# Altium PCB DSO.PcbDoc (part 2 of 2)
Units mil, origin at the board's own origin, x right, y up, seen from the top; angles counter-clockwise.
Board outline 4330.71 x 3937.01 mil, 2 copper layers (Top Layer, Bottom Layer), stack 61.855 mil thick; 136 components, 119 nets, 542 pads, 136 vias.
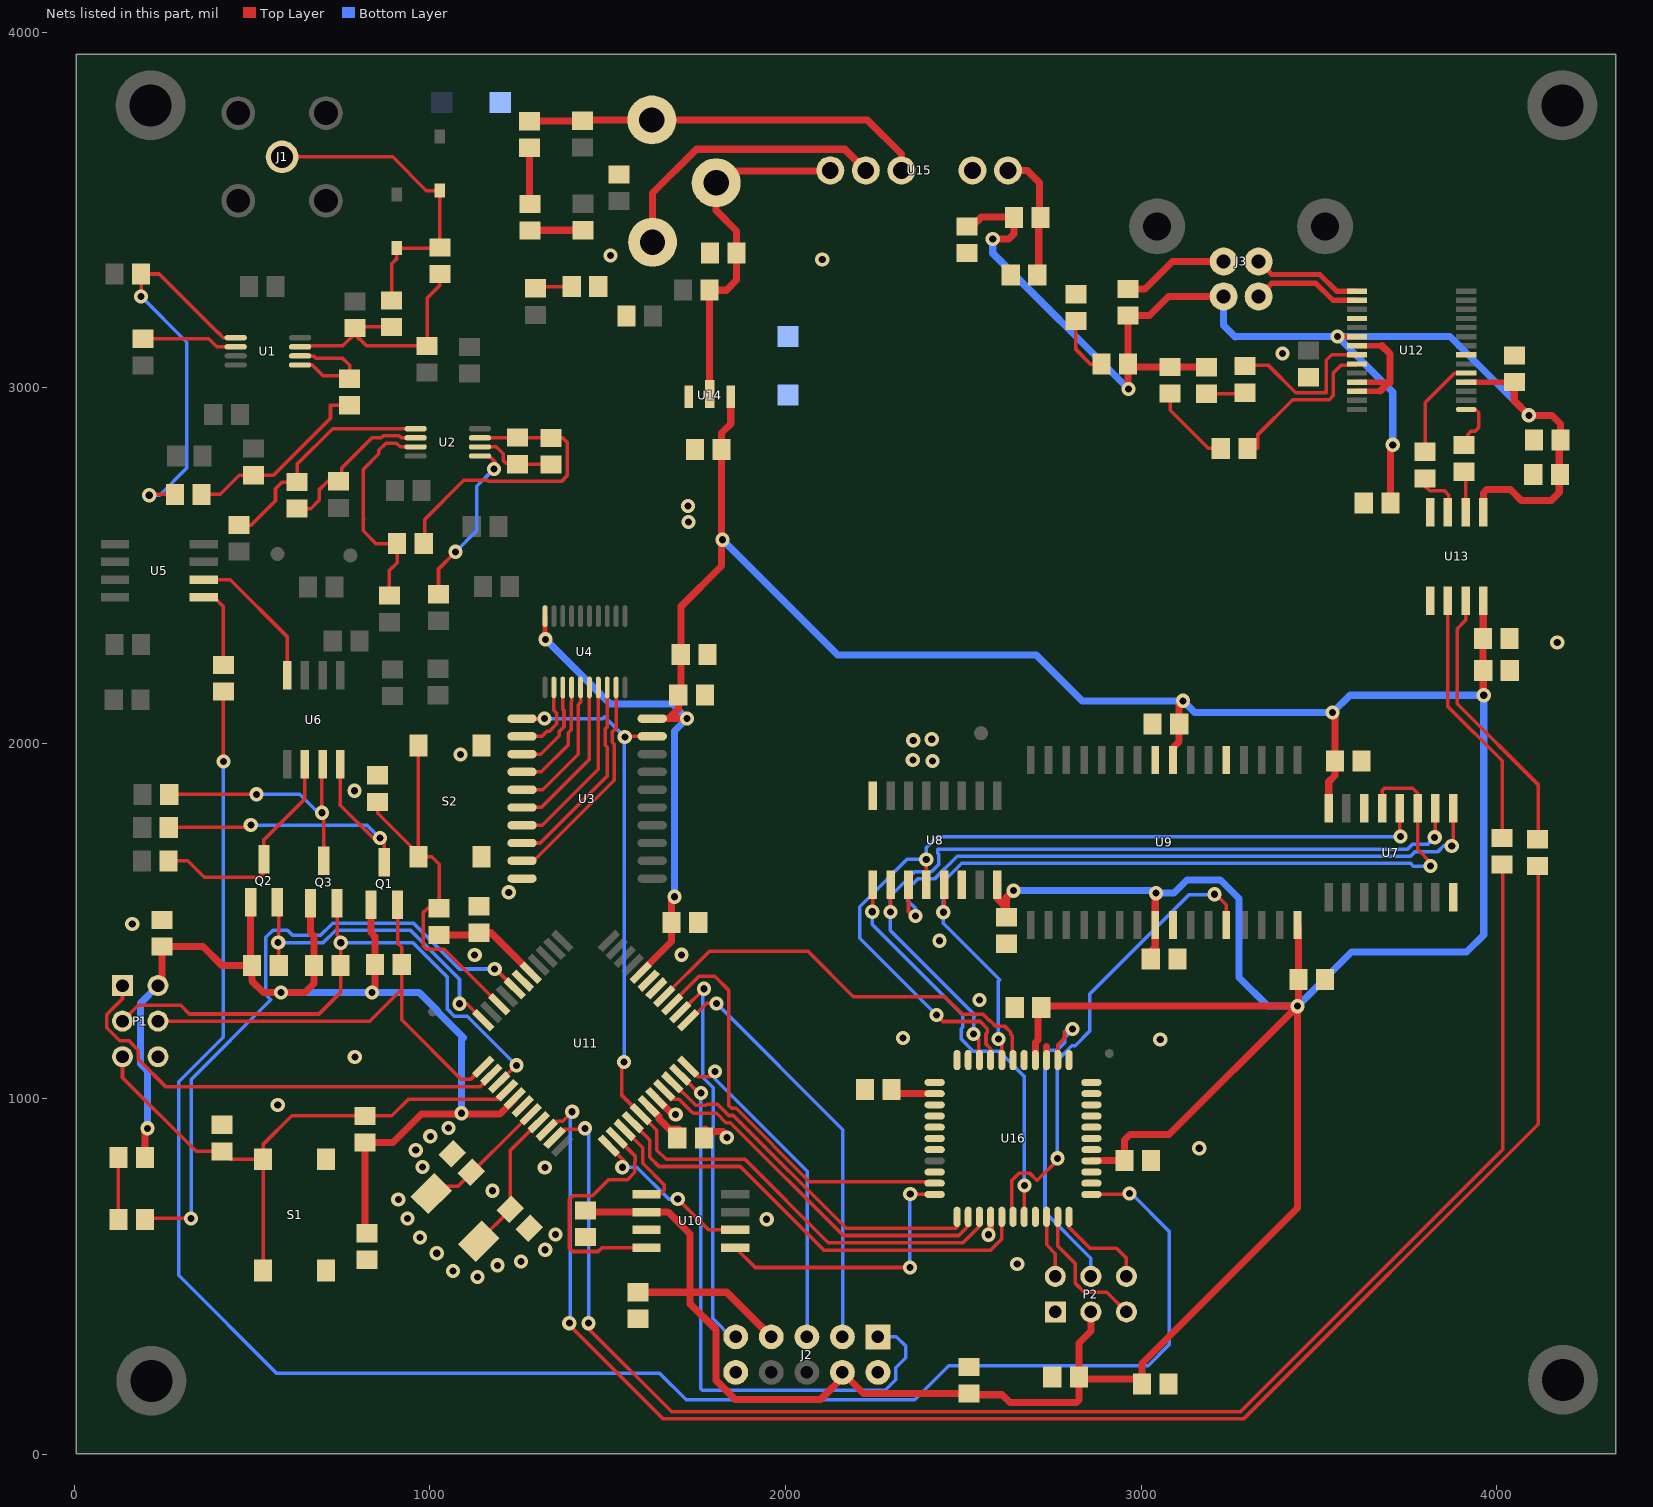
[diagram p2: the nets of this part, all layers, seen from the top]

## Via types
v1: diameter 40, hole 20, Top Layer to Bottom Layer, tented both sides, 134 vias
v2: diameter 40/40 (per signal layer), hole 20, Top Layer to Bottom Layer, tented both sides, 2 vias

## Nets (pads, with @x,y where several pads share a name; then routed paths per layer and width w, separated by ;. In a path a pad name is that pad's centre, name@x,y a point inside that pad or via, vN(x,y) a via of type N, cw(c..) or ccw(c..) an arc to the next point about the centre after c; other vN are vias at no path point) (continued)
CLEAR_COUNT: U7.10 U8.10 U16.31 | length 2357.9
  Top Layer w10: v1(2295,1526) 2296,1527 U8.10@2296,1603 ; v1(2529,1183) 2544,1168 2544,1110.98 U16.31@2545.51,1109.47 ; v1(3826,1736) 3828,1738 U7.10@3828,1818
  Bottom Layer w10: v1(2529,1183) 2529,1232 2533,1236 2295,1474 v1(2295,1526) 2295,1570.28 2363.72,1639 2410.5,1639 2431,1659.5 2431,1688.5 2427.72,1691.78 2427.72,1703 3750,1703 3763,1716 3806,1716 v1(3826,1736)
Clk_S0: U10.6 U11.12 | length 507.9
  Top Layer w10: 1530,841.66 U11.12@1503.38,868.28 1503.72,868.28 1545,827 1541,823 v1(1541,808) ; v1(1697,718.6) 1783.6,632 U10.6@1859,632
  Bottom Layer w10: v1(1541,808) 1582,808 1671.4,718.6 v1(1697,718.6)
Clk_S1: U10.4 U11.13 | length 697.4
  Top Layer w10: U11.13@1525.66,890.55 1578,838.21 1578,824.5 1576,822.5 1576,793.5 1555.5,773 1502,773 1457,728 1402.27,728 1392.47,718.21 1392.47,579.79 1401.26,571.01 1472.74,571.01 1483.73,582 U10.4@1609,582
COUNTER_CLK: U7.11 U7.13 U8.13 U16.29 | length 2426.4
  Top Layer w10: v1(2444,1525.17) 2446,1527.17 U8.13@2446,1603 ; v1(2599,1169) 2603,1169 2608.5,1163.5 U16.29@2608.5,1109.47 ; U7.13@3678,1818 3678,1867 3685,1874 3764,1874 3778,1860 U7.11@3778,1818 3778,1702 3814,1666 v1(3814,1655)
  Bottom Layer w10: v1(2599,1169) 2599,1331 2603,1335 2444,1494 v1(2444,1525.17) 2444,1611 2496,1663 3758,1663 3766,1655 v1(3814,1655)
CPLD_TCK: P2.6 U16.11 | length 278.1
  Top Layer w10: U16.11@2797.48,668.53 2797.48,638.95 2856.43,580 2931,580 2959,552 P2.6@2959,501
CPLD_TD0: P2.4 U16.24 | length 930.3
  Top Layer w10: U16.24@2765.98,1109.47 2765.98,1151.98 2784.87,1170.87 2784.87,1189.47 2792.4,1197 v1(2807,1197)
  Bottom Layer w10: v1@2790.4,1195 2792.4,1197 v1(2807,1197) 2807,1195 2784.87,1172.87 2784.87,1157.9 2764.37,1137.4 2732.8,1137.4 2730,1134.6 2730,681 2859,552 P2.4@2859,501
CPLD_TDI: P2.2 U16.9 | length 177.7
  Top Layer w10: U16.9@2734.49,668.53 2734.49,589.51 2759,565 P2.2@2759,501
CPLD_TMS: P2.5 U16.10 | length 384.4
  Top Layer w10: U16.10@2765.98,668.53 2765.98,586.3 2814.47,537.81 2814.47,482.56 2840.56,456.47 2903.53,456.47 P2.5@2959,401
DAC_CS: Q2.3 R23.1 U6.2 | length 645.7
  Top Layer w10: R23.1@264.4,1670 319,1670 365,1624 520,1624 533,1637 Q2.3@533,1674 533,1729 648,1844 U6.2@648,1942
DAC_OUT: U5.2 U6.8 | length 409.3
  Top Layer w10: U5.2@364,2461 438,2461 598,2301 U6.8@598,2192
DAC_SCK: Q3.3 R25.1 U6.3 | length 726.2
  Top Layer w10: R25.1@266.4,1857 v1(512,1857) ; U6.3@698,1942 696,1940 v1(696,1805) 696,1795 701.4,1789.6 Q3.3@701.4,1670
  Bottom Layer w10: v1(512,1857) 634,1857 686,1805 v1(696,1805)
DAC_SDI: Q1.3 R21.1 U6.4 | length 951.4
  Top Layer w10: R21.1@265.4,1764 489,1764 v1(496,1771) ; U6.4@748,1942 748,1829.2 746.4,1827.6 840,1734 v1(859,1734) 871.4,1721.6 Q1.3@871.4,1666
  Bottom Layer w10: v1(496,1771) 497,1770 823,1770 v1(859,1734)
DGND: C18.2 C19.2 C20.2 C21.2 C22.2 C23.2 C24.2 C25.2 C26.2 C27.2 C28.2 C29.2 C30.2 C31.2 C32.2 C33.2 C34.2 C35.2 C36.2 C37.2 C44.2 C47.2 C52.2 C53.2 C54.2 C55.2 C57.2 J2.2 J2.10 N2.1 P1.6 P2.1 S1.2 S2.2 U3.10 U7.8 U7.14 U8.8 U8.14 U9.5 U9.9 U9.25 U10.3 U11.6 U11.18 U11.28 U11.39 U13.5 U14.1 U16.4 U16.8 U16.13 U16.14 U16.16 U16.17 U16.18 U16.19 U16.20 U16.21 U16.22 U16.23 U16.25 U16.27 U16.32 U16.33 U16.34 U16.36 U16.37 U16.38 U16.39 U16.40 U16.42 | length 238.2
  Top Layer w20: U11.18@1637.01,1001.9 1682.92,956 v1(1691,956) ; C37.2@1774.4,915 1780.89,908.51 1824.49,908.51 1835,898 v1(1835,892) ; v1(2571,618) 2571,620.54 2577.01,626.55 U16.4@2577.01,668.53 ; U16.25@2734.49,1109.47 2734.49,1148.06
  other v1: 1133.62,499 1065,516 1190,532 2652,535.54 1256,543 1019,566 1324,576 972,610 1353,619 1947,661.61 937,664 911,717 1176,742 1323,807 978.58,809 960,856 3164,861.54 1001,895 1052,918 571.63,983.14 788.63,1118 3054,1167.54 2330.87,1171.41 2545.68,1278.54 1125.71,1405.23 1707.68,1405.41 2433,1445 162.63,1492 1221.45,1581.23 788,1867 2413.51,1950.9 2358.23,1953.9 1086,1969 2359.45,2008.9 2411.45,2011.9 4171,2284 1727,2623 1726.1,2668
DVCC: C18.1 C19.1 C20.1 C21.1 C22.1 C23.1 C24.1 C25.1 C26.1 C31.1 C32.1 C33.1 C34.1 C35.1 C36.1 C37.1 C44.1 C47.1 C52.1 C53.1 C54.1 C55.1 C57.1 D7.A J2.4 J2.7 P1.2 P2.3 Q1.1 Q2.1 Q3.1 R14.2 R15.2 R20.2 R22.2 R24.2 U3.20 U4.20 U7.16 U8.16 U9.8 U9.24 U9.32 U10.2 U11.5 U11.17 U11.27 U11.29 U11.38 U13.8 U14.3 U16.15 U16.26 U16.35 | length 17967.8
  Top Layer w13.78: v1@1323.5,2294.5 U4.20@1323.5,2358.39
  Top Layer w20: D7.A@198.4,835 198.4,910.8 v1(205,917.4) ; P1.2@235,1319 246,1330 C26.1@246,1428.6 361.4,1428.6 414,1376 R22.2@499.6,1376 ; Q2.1@495.6,1554 495.6,1380 R22.2@499.6,1376 ; Q3.1@664,1550 664,1468 673.6,1458.4 R24.2@673.6,1375 673.6,1324.6 648.4,1299.4 v1(581,1299.4) 531.6,1299.4 499.6,1331.4 R22.2@499.6,1376 ; C54.1@823,622.4 817,628.4 R14.2@817,877.6 895.6,877.6 976,958 1197.35,958 U11.5@1236.58,997.23 ; Q1.1@834,1546 834,1468 845.6,1456.4 R20.2@845.6,1377.73 845.6,1308 v1(837,1299.4) ; R15.2@1026,1461.6 1131.62,1461.6 C36.1@1137.62,1467.6 1171.32,1467.6 U11.38@1283.46,1355.46 ; v1@1323.5,2294.5 v1(1325,2293) ; C22.1@1437,686.4 1441.4,682 U10.2@1609,682 1670,682 1731.83,620.17 1731.83,456.4 ; C53.1@1585,456.4 1731.83,456.4 ; U11.29@1592.47,1355.46 1679.6,1442.59 C35.1@1679.6,1497 1679.6,1560.6 v1(1688,1569) ; U11.17@1614.74,979.63 1644.48,949.89 1644.48,944.52 1674,915 C37.1@1699.6,915 ; U3.20@1625.07,2070 1671,2070 ; v2(1723,2070) 1671,2070 ; U14.3@1846.06,2975.2 1846.06,2899.06 1820.4,2873.4 C47.1@1820.4,2827 1820.4,2499.4 1705.6,2384.6 C20.1@1705.6,2250 1705.6,2144 C55.1@1698.6,2137 1698.6,2097.6 1671,2070 ; J2.7@1960,331 1834.6,456.4 1731.83,456.4 ; C18.1@2298.4,1026 2309.42,1014.98 U16.35@2419.53,1014.98 ; U8.16@2596,1603 2596,1563 2621,1538 ; C33.1@2621,1511.4 2621,1538 ; v1(2641,1586) 2621,1566 2621,1538 ; U16.26@2702.99,1109.47 2702.99,1158.99 2709.87,1165.87 2709.87,1251.47 2719.4,1261 v1(3440,1261) ; C52.1@2825.4,208 2825.4,153.4 2818,146 2631.41,146 2609.41,168 2519.6,168 C19.1@2516,171.6 2219.4,171.6 2167.5,223.5 2099.22,155.22 1858,155.22 1805,208.22 1805,350.66 1731.83,423.83 1731.83,456.4 ; P2.3@2859,401 2859,347 2825.4,313.4 C52.1@2825.4,218 2825.4,212.19 2988.41,212.19 C23.1@3002.6,198 3002.6,255.6 3440,693 v1(3440,1261) ; U16.15@2860.47,826.01 2861.46,827 C24.1@2953.6,827 2953.6,884.6 2969,900 3079,900 v1(3440,1261) ; C32.1@3027.6,1394 3027.6,1414.6 3040,1427 U9.24@3040,1490 3040,1577 v1(3042,1579) ; U9.8@3090,1952.99 3090,1988 3107.4,2005.4 C31.1@3107.4,2055 3107.4,2109.4 v1(3118,2120) ; U9.32@3440,1490 3442.6,1487.4 C21.1@3442.6,1336 3442.6,1263.6 v1(3440,1261) ; U7.16@3528,1818 3528,1892.57 3545.6,1910.17 C34.1@3545.6,1951 3545.6,2080.4 v1(3539,2087) ; C25.1@3961.6,2295 3961.6,2206 C57.1@3962.6,2205 3962.6,2137 v2(3964,2135.6) ; C25.1@3962.6,2291 3962.6,2400.6 U13.8@3963,2401
  Bottom Layer w20: v1(205,917.4) 205,1078.96 185.47,1098.49 185.47,1269.47 P1.2@235,1319 ; v1(581,1299.4) v1(837,1299.4) 969.6,1299.4 1023,1246 1023,1243.15 1094,1172.15 1089,1167.15 v1(1089,960) ; v1(1325,2293) 1507,2111 1682,2111 v2(1723,2070) 1688,2035 v1(1688,1569) ; v1(1823,2573) 2147,2249 2705.36,2249 2834.36,2120 v1(3118,2120) 3151,2087 v1(3539,2087) 3587.6,2135.6 v2(3964,2135.6) 3964,1461 3916,1413 3592,1413 v1(3440,1261) 3357,1261 3276,1342 3276,1563.57 3223.57,1616 3129.64,1616 3092.64,1579 v1(3042,1579) 3035,1586 v1(2641,1586)
EDGE_SW: U11.15 U16.5 | length 1292.9
  Top Layer w10: U11.15@1570.2,935.09 1570.2,932.3 1618,884.5 1618,836 1644,810 1873,810 2108,575 2577.5,575 2608.5,606.01 U16.5@2608.5,668.53
ENABLE: U11.20 U16.1 | length 1004.3
  Top Layer w10: U11.20@1681.55,1046.45 1683.06,1046.45 1747.5,982 1776.5,982 1779.89,985.4 1808.62,985.4 1840.51,953.51 1852.99,953.51 2170.5,636 2479,636 2482.52,639.52 U16.1@2482.52,668.53
ENABLE_COUNT: U7.12 U8.12 U16.30 | length 2422.5
  Top Layer w10: U8.12@2396,1603 v1(2396,1674) ; v1(2425,1236) 2443,1218 2547.5,1218 2567.79,1197.71 2568,1197.71 2568,1187.5 2564,1183.5 2564,1154.5 2577.01,1141.49 U16.30@2577.01,1109.47 ; U7.12@3728,1818 3728,1740 v1(3730,1738)
  Bottom Layer w10: v1(2425,1236) 2209,1452 2209,1541.14 2229.5,1561.64 2229.64,1561.64 2342,1674 v1(2396,1674) 2396,1707 2427,1738 v1(3730,1738)
FAST_CLK: U10.5 U16.44 | length 777.2
  Top Layer w10: U10.5@1859,582 1915,526 v1(2350,526) ; v1@2363.52,731.52 U16.44@2419.53,731.52
  Bottom Layer w10: v1(2350,526) 2350,731.6 v1(2351,732.6)
FILL_COMP: U11.26 U16.28 | length 1201.8
  Top Layer w10: U11.26@1659.28,1288.64 1785.64,1415 2063.72,1415 2190.72,1288 2448,1288 2498,1238 2555.78,1238 2573.78,1220 2576.28,1220 2592.28,1204 2617.5,1204 2634,1187.5 2634,1181.5 2638,1177.5 2638,1111.47 U16.28@2640,1109.47
FORCE: U11.19 U16.2 | length 1060.7
  Top Layer w10: U11.19@1659.28,1024.18 1684.03,999.43 1700.28,999.43 1732.02,967.7 1740.19,959.53 1806.21,959.53 1832.22,933.51 1844.71,933.51 2162.22,616 2487.28,616 2514.02,642.73 U16.2@2514.02,668.53
FULL: U8.9 U16.7 | length 1152.8
  Top Layer w10: v1(2244,1526.64) 2246,1528.64 U8.9@2246,1603 ; U16.7@2671.5,668.53 2671.5,756.09 v1(2672,756.6)
  Bottom Layer w10: v1(2244,1526.64) 2244,1491 2498,1237 2498,1201.5 2494,1197.5 2494,1168.5 2528.5,1134 2601,1134 2671,1064 v1@2671,762
GND: C48.2 C49.2 C50.1 C51.1 D6.A N1.0 N2.0 R18.1 TP5.1 U15.4 | length 973.4
  Top Layer w20: D6.A@1279,3519.4 1280,3520.4 C50.1@1280,3675.6 ; TP5.1@1605,3415.6 1626,3436.6 1626,3548 1749.37,3671.37 2166.63,3671.37 U15.4@2226,3612
  other v1: 2103.39,3361.39 1507.39,3372.39
IN_CLK: U10.1 U11.14 | length 270.4
  Top Layer w10: U11.14@1547.93,912.82 1598,862.75 1598,819 1659,758 1659,743 1648,732 U10.1@1609,732
LED_TRI: R27.1 U11.40 | length 1827.3
  Top Layer w10: R27.1@198.4,661 203,665.6 204.6,664 v1(328,664) ; v1(1182,1365.6) 1184.23,1365.6 U11.40@1238.92,1310.92
  Bottom Layer w10: v1(328,664) 328,1054.9 552,1278.9 538,1292.9 538,1454.5 558.5,1475 599,1475 614,1460 691.62,1460 726.22,1494.6 953.69,1494.6 1082.69,1365.6 v1(1182,1365.6)
MCU_RX: R29.1 U11.9 | length 4599.9
  Top Layer w10: U11.9@1328,912.82 1352.74,937.56 1373.56,937.56 v1(1400,964) ; v1@1392.5,363.5 1656,100 3288.28,100 4117,928.72 4117,1643.6 R29.1@4105,1655.6
  Bottom Layer w10: v1(1392,369.4) 1394,371.4 1394,958 v1(1400,964)
MCU_TRI: C30.1 R15.1 S2.1 U11.42 | length 1122.2
  Top Layer w10: C30.1@853,1835.6 853,1804 S2.1@967.42,1689.58 ; S2.1@967.42,1994.5 S2.1@967.42,1689.58 ; U11.42@1194.37,1266.37 1039.74,1421.01 990.26,1421.01 981.47,1429.79 981.47,1524.47 993.4,1536.4 R15.1@1026,1536.4 1026,1660 1004.5,1681.5 S2.1@967.42,1681.5 S2.1@967.42,1689.58
MCU_TX: R31.1 U11.10 | length 4435
  Top Layer w10: U11.10@1350.27,890.55 1375.02,915.29 1433.89,915.29 v1(1436,917.4) ; v1@1439,361 1680,120 3280,120 4017,857 4017,1658.47 R31.1@4016,1659.47
  Bottom Layer w10: v1(1436,917.4) 1446,907.4 v1(1446,369.4)
NetC1_2: C1.2 C3.1 R1.1 R4.2 U1.3 | length 725.5
  Top Layer w10: U1.3@634.55,3115.8 637.16,3118.4 754.6,3118.4 R4.2@789,3152.8 ; R1.1@892,3171.6 792,3171.6 R4.2@789,3168.6 R4.2@789,3152.8 ; C1.2@1028,3320.6 1028,3289 992,3253 C3.1@992,3118.4 821.21,3118.4 789,3150.62 R4.2@789,3152.8
NetC2_2: C2.2 R2.1 R3.2 | length 541.3
  Top Layer w10: R3.2@357.4,2701 410.1,2701 463.7,2754.6 C2.2@503,2754.6 559.6,2754.6 720.2,2915.2 720.2,2951.2 R2.1@774,2951.2
NetC4_1: C4.1 R3.1 U1.5 | length 1152.5
  Top Layer w10: v1@187.4,3257.4 C4.1@187.4,3320.6 238.4,3320.6 403,3156 404,3156 418.61,3141.39 U1.5@453.45,3141.39 ; v1(210.39,2698.39) 213,2701 R3.1@282.6,2701 R3.1@282.6,2703.67
  Bottom Layer w10: v1(187.39,3257.39) 316,3128.77 316,2775 239.39,2698.39 v1(210.39,2698.39)
NetC9_1: C9.1 R11.1 R13.2 U2.7 | length 868.3
  Top Layer w10: R11.1@982.4,2562 985,2564.6 985,2630 1095,2740 1162.5,2740 1165.5,2737 1369.73,2737 1385.53,2752.79 1385.53,2847.53 1385.2,2847.2 1373,2859.4 R13.2@1341,2859.4 1340,2860.4 C9.1@1246,2860.4 ; U2.7@1140.55,2859.8 C9.1@1246,2859.8
NetC9_2: C9.2 R13.1 U2.6 | length 232.1
  Top Layer w10: U2.6@1140.55,2834.2 1186.8,2834.2 1206,2815 1206,2796 1214,2788 1243.6,2788 C9.2@1246,2785.6 1340,2785.6 R13.1@1341,2784.6
NetC38_1: C38.1 L1.2 | length 169.2
  Top Layer w10: C38.1@2817,3188.6 2817,3108 2858,3067 L1.2@2888.6,3067
NetD3_K: D3.K R16.2 | length 234.5
  Top Layer w10: D3.K@3082,2984.6 3082,2937 3189,2830 R16.2@3224.6,2830
NetD4_K: D4.K R17.2 | length 109.2
  Top Layer w10: D4.K@3184,2983.6 3289,2983.6 R17.2@3292,2986.6
NetD5_K: D5.K R18.2 | length 103.6
  Top Layer w10: D5.K@1297,3280.4 1301.8,3285.2 R18.2@1398.6,3285.2
NetD6_K: D6.K R19.1 | length 154.4
  Top Layer w20: D6.K@1279,3444.6 1280,3443.6 R19.1@1433,3443.6
NetD7_K: D7.K R27.2 | length 174
  Top Layer w10: R27.2@123.6,661 D7.K@123.6,835
NetR6_2: R6.2 U1.6 | length 276
  Top Layer w10: R6.2@197.4,3134 R6.2@193,3138.4 378,3138.4 400.61,3115.8 U1.6@453.45,3115.8
NetR7_1: R7.1 R9.2 U2.1 | length 657.4
  Top Layer w10: R9.2@463,2614.4 497.01,2614.4 565.45,2682.85 565.45,2716.45 584.4,2735.4 R7.1@626,2735.4 626,2785 726.39,2885.39 U2.1@959.45,2885.39
NetR7_2: R7.2 R8.1 U2.2 | length 453.4
  Top Layer w10: R7.2@626,2660.6 664.6,2660.6 688,2684 688,2713 712.4,2737.4 R8.1@742,2737.4 752,2747.4 752,2775 837,2860 863.22,2860 868.22,2865 913.78,2865 918.78,2860 959.24,2860 U2.2@959.45,2859.8
NetR10_2: R10.2 U2.5 | length 487.2
  Top Layer w10: R10.2@1024,2420 1024,2491 v1(1072,2539) ; U2.5@1140.55,2808.61 1166.39,2808.61 1183,2792 1180,2789 v1(1180,2772)
  Bottom Layer w10: v1(1072,2539) 1132,2599 1132,2724 v1(1180,2772)
NetR11_2: R11.2 R12.1 U2.3 | length 628.2
  Top Layer w10: R12.1@886,2416 886,2487 907.6,2508.6 R11.2@907.6,2562 848,2562 812,2598 812,2628.5 814,2630.5 812,2632.5 812,2770.5 856,2814.5 856,2824.5 876.5,2845 905.5,2845 916.29,2834.2 U2.3@959.45,2834.2
NetR26_2: R26.2 U5.1 | length 229.8
  Top Layer w10: U5.1@364,2411 393,2411 419,2385 R26.2@419,2221
NetR28_1: R28.1 U13.2 | length 115.3
  Top Layer w10: R28.1@3909,2764.6 3913,2760.6 U13.2@3913,2651
NetR29_2: R29.2 U13.7 | length 778.2
  Top Layer w10: U13.7@3913,2401 3913,2347 3889.13,2323.13 3889.13,2111.87 4118,1883 4118,1737.4 R29.2@4125,1730.4
NetR30_1: R30.1 U13.3 | length 146
  Top Layer w10: R30.1@3799,2745.6 3799,2723.97 3811.97,2711 3853.71,2711 3866,2698.71 3866,2660.88 U13.3@3859.56,2654.44
NetR31_2: R31.2 U13.6 | length 730.1
  Top Layer w10: U13.6@3863,2401 3863,2104 4016,1951 R31.2@4016,1734.27
NetU3_2: U3.2 U4.2 | length 218.4
  Top Layer w10: U3.2@1258.93,2020 1315,2020 1330,2035 1336.5,2035 1357,2055.5 1357,2084.5 1348.5,2093 U4.2@1348.5,2157.61
NetU3_3: U3.3 U4.3 | length 269.1
  Top Layer w10: U3.3@1258.93,1970 1312,1970 1363.5,2021.5 1363.5,2033.72 1377,2047.22 1377,2092.78 1373.5,2096.28 U4.3@1373.5,2157.61
NetU3_4: U3.4 U4.4 | length 324.6
  Top Layer w10: U3.4@1258.93,1920 1313,1920 1388.5,1995.5 1388.5,2030.43 1397,2038.93 1397,2117.68 ; 1398.5,2119.57 U4.4@1398.5,2157.61
NetU3_5: U3.5 U4.5 | length 389.8
  Top Layer w10: U3.5@1258.93,1870 1317,1870 1416.61,1969.61 1416.61,2030.26 1417,2030.65 1417,2109.35 1423.5,2115.85 U4.5@1423.5,2157.61
NetU3_6: U3.6 U4.6 | length 447.8
  Top Layer w10: U3.6@1258.93,1820 1313,1820 1448.5,1955.5 U4.6@1448.5,2157.61
NetU3_7: U3.7 U4.7 | length 510.3
  Top Layer w10: U3.7@1258.93,1770 1316,1770 1473.5,1927.5 1473.5,1986.43 1473,1986.93 1473,2157.11 U4.7@1473.5,2157.61
NetU3_8: U3.8 U4.8 | length 571.3
  Top Layer w10: U3.8@1258.93,1720 1310,1720 1498.5,1908.5 1498.5,1989.72 1493,1995.22 1493,2040.78 1498.5,2046.28 U4.8@1498.5,2157.61
NetU3_9: U3.9 U4.9 | length 621.1
  Top Layer w10: U3.9@1258.93,1670 1292,1670 1518.5,1896.5 1518.5,1998 1513,2003.5 1513,2032.5 1523.5,2043 U4.9@1523.5,2157.61
Out_buf: R2.2 U1.1 U1.2 | length 343.7
  Top Layer w10: U1.1@634.55,3064.61 668.39,3064.61 699,3034 766,3034 R2.2@774,3026 774,3064 754,3084 679,3084 673.2,3089.8 634.95,3089.8 U1.2@634.55,3090.2
out_CLAMP: C1.1 D1.A D2.K J1.1 R1.2 | length 918
  Top Layer w10: J1.1@584,3650 895,3650 989.79,3555.21 D1.A@1028,3555.21 C1.1@1028,3395.4 1025.81,3393.21 D2.K@907,3393.21 907,3364 892,3349 R1.2@892,3246.4
OVERFLOW: U7.9 U8.11 | length 1874.2
  Top Layer w10: U8.11@2346,1603 2346,1526.65 2357.78,1514.87 v1(2366,1514.87) ; v1(3874,1712) 3878,1716 U7.9@3878,1818
  Bottom Layer w10: v1(2366,1514.87) 2366,1535.6 2344,1557.6 2344,1591 2372,1619 2419,1619 2483,1683 3758.28,1683 3771.28,1696 3835.5,1696 3851.5,1712 v1(3874,1712)
R\A\M\_\R\E\A\D\: U9.28 U16.6 | length 1365.9
  Top Layer w10: U16.6@2640,668.53 2637,671.53 2637,771.1 2657.5,791.6 2686.5,791.6 2707,771.1 2708.1,771.1 2765,828 v1(2765,833.09) ; v1(3207,1576) 3210,1576 3240,1546 U9.28@3240,1490
  Bottom Layer w10: v1(2765,833.09) 2765,1109.75 2804.87,1149.62 2814.62,1149.62 2856,1191 2856,1295.29 3134.71,1574 v1@3222,1574
RAM_READ: U3.1 U3.19 U11.16 U16.3 | length 2659.2
  Top Layer w10: U3.1@1258.93,2070 v1(1322,2070) ; v1(1545.93,1104) 1540,1098.07 1540,1009.83 U11.16@1592.47,957.36 1638,911.83 1638,856.25 1664.25,830 1886.18,830 2120.18,596 2499.5,596 2545.51,642.01 U16.3@2545.51,668.53 ; v1(1548,2018) 1550,2020 U3.19@1625.07,2020
  Bottom Layer w10: v1(1322,2070) 1486,2070 1491,2075 v1(1548,2018) 1545.93,2015.93 v1(1545.93,1104)
RD_Vout: C48.1 L3.2 TP4.1 U14.2 U15.5 | length 1032.2
  Top Layer w20: U14.2@1787,2983.07 1786.4,2983.67 L3.2@1786.4,3275 1834,3275 1862.4,3303.4 C48.1@1862.4,3379 1862.4,3441.6 1805,3499 TP4.1@1805,3577 1805,3610.17 2124.17,3610.17 U15.5@2126,3612
RD_Vout-: C50.2 L4.2 TP6.1 U15.3 | length 1133.3
  Top Layer w20: C50.2@1280,3750.4 1281,3751.4 L4.2@1429,3751.4 1431.6,3754 1607,3754 2230,3754 2326,3658 U15.3@2326,3612
RST: C29.1 P1.5 R14.1 S1.1 U11.4 | length 1653.2
  Top Layer w10: P1.5@135,1119 135,1060 342.4,852.6 C29.1@415,852.6 437.1,830.5 S1.1@530.42,830.5 ; S1.1@530.42,517.5 S1.1@530.42,830.5 ; U11.4@1216.64,1024.18 1191.9,999.43 939.43,999.43 892.4,952.4 R14.1@817,952.4 610.8,952.4 530.42,872.02 S1.1@530.42,830.5
RX_ISO: R28.2 U12.1 | length 155.4
  Top Layer w10: R28.2@3909,2839.4 3909,2848 3919.25,2858.25 3919.25,2868.78 3929.22,2878.75 3939.75,2878.75 3950,2889 3950,2930 3940.34,2939.66 U12.1@3914.54,2939.66 U12.1@3913,2938.12
RXLED: R17.1 U12.22 | length 445.2
  Top Layer w10: R17.1@3292,3061.4 3294,3063.4 3358.6,3063.4 3435,2987 3521,2987 3521,3078 3536.2,3093.2 U12.22@3607.46,3093.2
SCK: P1.3 Q3.2 R24.1 U11.3 | length 1679.9
  Top Layer w10: P1.3@135,1219 179.53,1263.53 298.65,1263.53 323.18,1239 688,1239 748.4,1299.4 R24.1@748.4,1375 748.4,1451.6 738.8,1461.2 Q3.2@738.8,1550 ; U11.3@1194.37,1046.45 1194.85,1046.45 v1(1243,1094.6)
  Bottom Layer w10: v1(749,1439.6) 952.12,1439.6 1048,1343.72 1048,1253.5 1068.5,1233 1104.6,1233 v1(1243,1094.6)
SDA: P1.4 Q1.2 R20.1 U11.1 | length 1364.4
  Top Layer w10: P1.4@235,1219 831,1219 920.4,1308.4 ; Q1.2@908.8,1546 908.8,1438.2 920.4,1426.6 R20.1@920.4,1377.73 920.4,1308.4 ; U11.1@1149.83,1090.99 1113.84,1055 1088,1055 920.4,1222.6 920.4,1308.4
SLA: P1.1 U11.2 | length 1317
  Top Layer w10: P1.1@135,1319 135,1281.97 90.47,1237.44 90.47,1200.56 127.5,1163.53 153.44,1163.53 179.53,1137.44 179.53,1111.5 256.03,1035 1141.08,1035 U11.2@1173.45,1067.37
SLOW_CLK: U11.25 U16.43 | length 1203.4
  Top Layer w10: U11.25@1681.55,1266.37 1681.55,1270.05 1756.5,1345 1801,1345 1841,1305 1841,981.3 1848.79,973.51 1861.27,973.51 2067.19,767.6 2414.94,767.6 U16.43@2419.53,763.02
T_CS: Q2.2 R22.1 U11.44 | length 915.9
  Top Layer w10: Q2.2@570.4,1554 574.4,1550 R22.1@574.4,1376 ; v1(1083,1268) 1103.66,1268 U11.44@1149.83,1221.83
  Bottom Layer w10: v1(573,1440) 699.9,1440 734.5,1474.6 945.4,1474.6 1083,1337 v1(1083,1268)
TCK: J2.1 U11.21 | length 1668.5
  Top Layer w10: U11.21@1703.82,1068.72 1755.54,1017 v1(1762,1017)
  Bottom Layer w10: v1(1762,1017) 1762,185 1766,181 2280.71,181 2310,210.29 2310,244 2338,272 2338,305 2312,331 J2.1@2260,331
TDI: J2.9 U11.24 | length 1118.9
  Top Layer w10: U11.24@1703.82,1244.1 1711.96,1252.23 1713.23,1252.23 v1(1771,1310)
  Bottom Layer w10: v1(1771,1310) 1767,1306 1767,1061.5 1797,1031.5 1797,914.8 1795.21,913.01 1795.21,382.79 J2.9@1853.5,324.5
TDO: J2.3 U11.23 | length 1184.3
  Top Layer w10: U11.23@1726.1,1221.83 1731.83,1221.83 1778.85,1268.85 v1(1806,1268.85)
  Bottom Layer w10: v1(1806,1268.85) 2161,913.85 J2.3@2161,331
TMS: J2.5 U11.22 | length 947.4
  Top Layer w10: U11.22@1726.1,1090.99 1755.08,1062 1787,1062 v1(1802,1077)
  Bottom Layer w10: v1(1802,1077) 1802,1055.68 2061,796.68 J2.5@2061,331
TRIG_IN: R26.1 U16.12 | length 5275.5
  Top Layer w10: v1@419,1944.42 v1(419,1949) R26.1@419,2146.2 ; U16.12@2860.47,731.52 2965.43,731.52 v1(2968,734.09)
  Bottom Layer w10: v1(419,1949) 419,1174.56 416.81,1172.37 417,1172.19 293,1048.19 293,504 569,228 1646.72,228 1720.72,154 2363.28,154 2459.28,250 3020,250 3080,310 3080,627 v1@2971,736
TX_ISO: R30.2 U12.5 | length 288
  Top Layer w10: R30.2@3799,2820.4 3799,2958.13 3882.9,3042.02 U12.5@3914.54,3042.02
TXLED: R16.1 U12.23 | length 466.6
  Top Layer w10: R16.1@3299.4,2830 3329,2830 3329,2869.28 3426.72,2967 3529.28,2967 3541,2978.72 3541,3042 3563.5,3064.5 3604.35,3064.5 U12.23@3607.46,3067.61
USBD_N: J3.2 U12.16 | length 311.4
  Top Layer w15: J3.2@3331,3257.57 3367.71,3294.29 3492.36,3294.29 3537.99,3248.66 3538.34,3248.66 3540,3247 3571.16,3247 3571.41,3246.75 U12.16@3607.46,3246.75
USBD_P: J3.3 U12.15 | length 311.1
  Top Layer w15: J3.3@3331,3356 3367.71,3319.29 3502.71,3319.29 3548.34,3273.66 3548.7,3273.66 3550.02,3272.34 U12.15@3607.46,3272.34
USBGND: C38.2 C39.2 C40.2 C41.2 C42.2 C43.2 C45.2 C46.2 C56.2 J3.4 U12.7 U12.18 U12.21 U12.25 U12.26 U13.4 U15.2 | length 680
  Top Layer w14.96: U12.26@3607.46,2990.84 3670.84,2990.84 3671,2991 ; U12.25@3607.46,3016.43 3697.3,3016.43 ; U12.21@3607.46,3118.8 3677.39,3118.8
  Top Layer w20: C43.2@2963,3278.4 3011.4,3278.4 3089,3356 J3.4@3232.57,3356 ; 3671,2991 3671.87,2991 3697.3,3016.43 3699.74,3014 3700.17,3014 3700.17,3096.02 3677.39,3118.8
  other v1: 3398.26,3096.59
USBVCC: C40.1 C41.1 C42.1 C43.1 C45.1 C56.1 D3.A D4.A J3.1 L1.1 L2.2 U12.4 U12.20 U13.1 | length 3997.2
  Top Layer w10: L2.2@2636.2,3481.4 L2.2@2637.6,3480
  Top Layer w14.96: v1(3552.39,3144.39) U12.20@3607.46,3144.39 ; U12.4@3914.54,3016.43 C40.1@4047.83,3016.43
  Top Layer w20: C45.1@2511,3454.4 2525,3454.4 2552,3481.4 L2.2@2636.2,3481.4 ; v1@2583,3420.4 v1(2583,3419) 2628,3419 2642.6,3433.6 L2.2@2642.6,3480 ; v1(2965,2997) 2963.4,2998.6 L1.1@2963.4,3067 ; D4.A@3184,3058.4 3183,3059.4 D3.A@3082,3059.4 2971,3059.4 L1.1@2963.4,3067 ; J3.1@3232.57,3257.57 3077.57,3257.57 3023.6,3203.6 C43.1@2963,3203.6 2963,3067.4 L1.1@2963.4,3067 ; C42.1@3701.4,2677 3701.4,2833.47 v1(3708,2840.07) ; U13.1@3963,2651 3963,2705 3972,2714 4039.13,2714 4069.13,2684 4154.4,2684 4176.4,2706 C56.1@4176.4,2827 ; C40.1@4047.83,3016.43 C40.1@4050,3018.6 ; C40.1@4050,3016.6 4050,2964 v1(4091,2923) 4156,2923 4180.4,2898.6 C56.1@4180.4,2853
  Bottom Layer w20: v1(2583,3419) 2583,3379 v1(2965,2997) ; J3.1@3232.57,3257.57 3232.57,3175.43 3265,3143 3266.39,3144.39 v1(3552.39,3144.39) ; v1(3708,2840.07) 3708,2988.77 v1(3552.39,3144.39) ; v1(4091,2923) 3869.61,3144.39 v1(3552.39,3144.39)
USBVCCO: C46.1 L2.1 U15.1 | length 375.1
  Top Layer w20: U15.1@2626,3612 2680,3612 2714,3578 2714,3481.6 2712.4,3480 2712.4,3322 C46.1@2708.4,3318 ; L2.1@2705.4,3480 L2.1@2713,3487.6
XTAL1: C28.1 U11.8 X1.2 | length 405.1
  Top Layer w10: X1.2@1137.62,599.62 1225.74,687.73 C28.1@1225.74,689.69 1225.74,855.1 U11.8@1305.73,935.09
XTAL2: C27.1 U11.7 X1.1 | length 374.3
  Top Layer w10: X1.1@1003.3,733.94 1020.94,733.94 1041.3,754.3 1078.7,754.3 U11.7@1281.76,957.36 ; U11.7@1281.36,957.36 U11.7@1281.76,957.36 ; U11.7@1282.61,958.21 U11.7@1281.76,957.36 ; U11.7@1283.46,957.36 U11.7@1281.76,957.36
pads on no net: F1. F2. J2.6 J2.8 J3. U5.5 U5.6 U5.7 U10.7 U10.8 U11.11 U11.41 U11.43 U12.2 U12.3 U12.6 U12.8 U12.9 U12.10 U12.11 U12.12 U12.13 U12.14 U12.19 U12.24 U12.27 U12.28
copper on no net:
  other v1: 1337,2618 544,3103

## Polygon pours and split planes (outlines as drawn)
AGND on Top Layer "Top Layer-AGND" (solid, pour order 44): 57,3894 1070,3894 1070,3158 1072,3156 1155,3156 1155,3017 1242,2930 1395,2930 1399,2926 1397,2924 1397,2575 1430,2542 1572.54,2542 1572.54,2380.46 1603,2350 1600,2347 1600,2285 1493,2280 1446,2240 1342,2237.4 1334,2233 1334,2127.11 1320,2119 1315.89,2119 1287,2119 1287,2157 1230.4,2213.6 1230.4,2257 1167.87,2257 1092,2181.13 1092,2096 1086,2090 265.4,2090 264.4,2091 257.4,2084 59,2084 57,2082 56,2083 56,3632
DGND on Top Layer "Top Layer-DGND" (solid, pour order 48): 56,1980 61,1985 881.4,1985 948.4,2052 1146.23,2052 1199.23,2105 1309.76,2105 1333,2105 1333,2184 1364,2215 1513.79,2215 1513.79,2236.63 1541.17,2264 1645,2264 1653,2256 1653,2384 1686,2417 1684.01,2418.99 1684.01,3010 2540,3010 2542,3012 3100,2454 4285,2454 4286,2453 4286,49 62,49 61,48
DVCC on Top Layer "Top Layer-DVCC" (solid, pour order 26): 2433,1109 2424,1100 2424,699 2853,699 2857,695 2860,698 2860,1114
DVCC on Top Layer "Top Layer-DVCC 1" (solid, pour order 24): 1446,1535 1082,1171 1082,1130 1440,772 1825,1157 1827,1157
USBGND on Top Layer "Top Layer-USBGND" (solid, pour order 22): 4335,2591 4285,2641 4285,3901 2472.5,3901 2472.5,3118 2711.5,3118 3125.5,2704 3495.5,2704 3610.5,2589 4328.5,2589 4331.5,2592
GND on Top Layer "Top Layer-GND" (solid, pour order 4): 1160,3892.29 1160,3227 1306,3081 2377,3081 2377,3892.29
no net on Top Layer "Top Layer-No Net 1" (solid, pour order 20): 4415,3476
AGND on Bottom Layer "Bottom Layer-AGND" (solid, pour order 46): 56,3900 1069,3900 1069,3164 1071,3162 1154,3162 1154,3030 1248,2936 1394,2936 1398,2932 1396,2930 1396,2581 1429,2548 1571.54,2548 1571.54,2386.46 1602,2356 1599,2353 1599,2289 1488,2289 1448,2249 1343,2249 1333,2239 1333,2133.11 1319,2125 1314.89,2125 1286,2125 1286,2163 1229.4,2219.6 1229.4,2263 1166.87,2263 1091,2187.13 1091,2102 1085,2096 264.4,2096 263.4,2097 256.4,2090 58,2090 56,2088 55,2089 55,3638
DGND on Bottom Layer "Bottom Layer-DGND" (solid, pour order 50): 52,1984 57,1989 877.4,1989 944.4,2056 1142.23,2056 1195.23,2109 1305.76,2109 1329,2109 1329,2188 1360,2219 1509.79,2219 1509.79,2240.63 1537.17,2268 1641,2268 1649,2260 1649,2388 1682,2421 1680.01,2422.99 1680.01,3014 2536,3014 2538,3016 3096,2458 4281,2458 4282,2457 4282,53 58,53 57,52
USBGND on Bottom Layer "Bottom Layer-USBGND" (solid, pour order 40): 4289,2596.09 4289,3894 2476.5,3894 2476.5,3125 2715.5,3125 3129.5,2711 3499.5,2711 3614.5,2596 4291,2596
GND on Bottom Layer "Bottom Layer-GND" (solid, pour order 6): 1159,3894.51 1159,3245 1295,3109 1892,3109 1892,3116 2378,3116 2378,3893.5

## Keep-outs
Keep-Out Layer:
  lines w10: 34,32 36,34 4284,34 4301,51 4301,3860 4251,3910 48,3910 34,3896 ; 40,54 40,3918

## Silkscreen, mask and mechanical layers (free items; w line width, h text height)
Top Overlay:
  text "-5V" at 1215,3577 h40
  text "+5V" at 1228,3339.63 h40
  text "TL" at 3053,3128 h40
  text "RL" at 3160,3123 h40
  text "TRI" at 72,902 h40
  text "RUI YUAN 813927" at 518,99 h50
Bottom Overlay:
  text "RUI YUAN 813927" at 1216.8,95 h50
Mechanical 1:
  lines w10: 2.84,0.84 4333.55,0.84 4333.55,3937.85 2.84,3937.85 2.84,0.84 ; 4.84,1.84 4335.55,1.84 4335.55,3938.85 4.84,3938.85 4.84,1.84

## Text inside footprints (layer, text, board x,y; h text height)
P1: Top Overlay "1" at 52,1296 h50
P2: Top Overlay "1" at 2751,281 h50